# Altium PCB PCB2.PcbDoc (part 1 of 2) (continued)
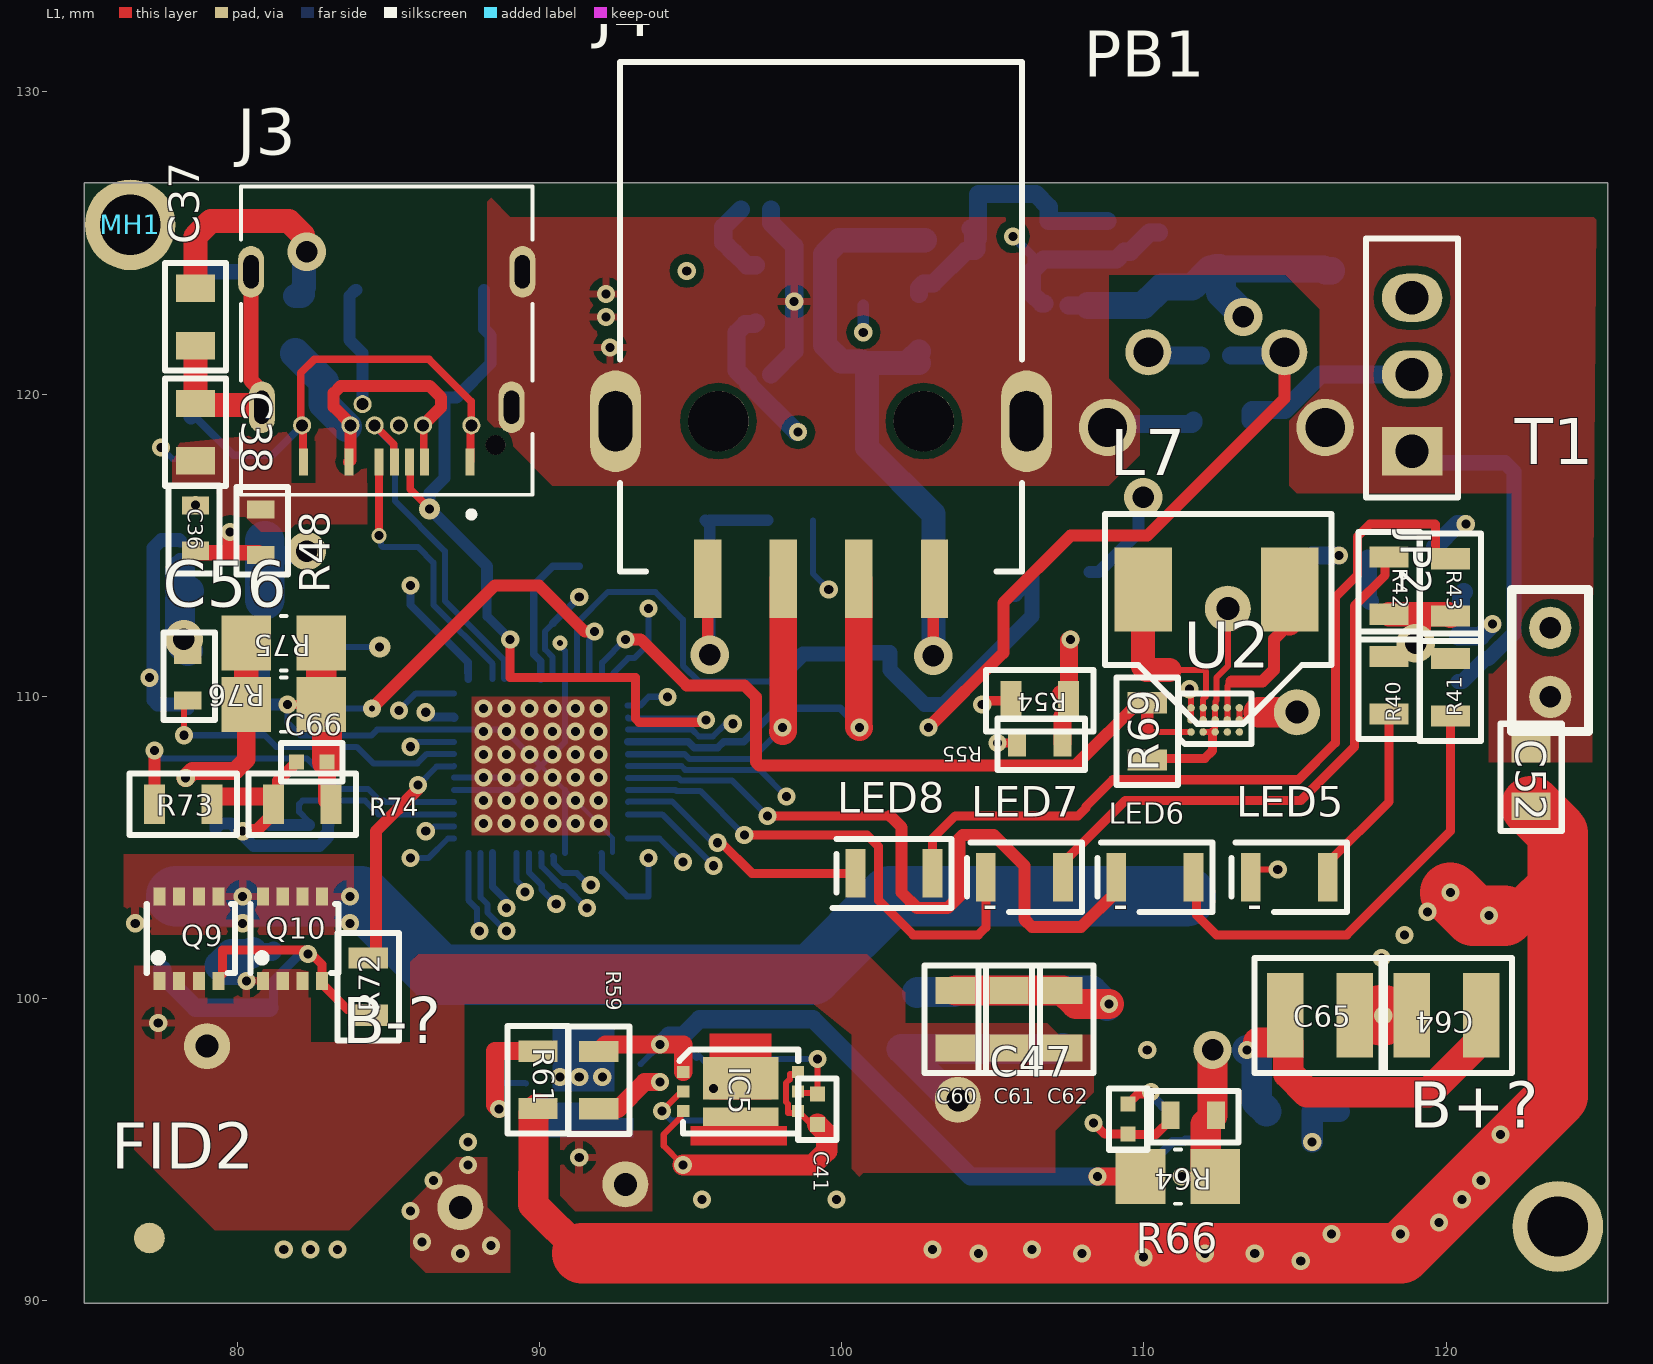
[diagram p0: L1 view]
## Part data (continued)
R39 R44 R71 R74: library part RC0805FR-07100KL, "RES SMD 100K OHM 1% 1/8W 0805", Case/Package=0805, Case Code (Metric)=2012, Manufacturer 1=Yageo, Max Operating Temperature=155°C, Max Power Dissipation=125mW, Min Operating Temperature=-55°C, Package Quantity=1, Resistance=100kR, Supplier Part Number 1=311-100KCRCT-ND, Temperature Coefficient=100ppm/°C, Tolerance=1%, Voltage Rating=150V, Case Code (Imperial)=0805, ComponentLink1Description=https://datasheet.ciiva.com/11808/0900766b8106beab-11808858.pdf?src-supplier=RSComponents, ComponentLink1URL=https://datasheet.ciiva.com/11808/0900766b8106beab-11808858.pdf?src-supplier=RSComponents, ComponentLink2Description=https://datasheet.ciiva.com/2457/pyu-r-int-thick-7-2457017.pdf?src-supplier=Digi-Key, ComponentLink2URL=https://datasheet.ciiva.com/2457/pyu-r-int-thick-7-2457017.pdf?src-supplier=Digi-Key, ComponentLink3Description=https://datasheet.ciiva.com/12667/rc0805-12667001.pdf?src-supplier=Mouser, ComponentLink3URL=https://datasheet.ciiva.com/12667/rc0805-12667001.pdf?src-supplier=Mouser, ComponentLink4Description=https://datasheet.ciiva.com/2457/pyu-r-int-thick-7-2457018.pdf?src-supplier=Digi-Key, ComponentLink4URL=https://datasheet.ciiva.com/2457/pyu-r-int-thick-7-2457018.pdf?src-supplier=Digi-Key, ComponentLink5Description=https://datasheet.ciiva.com/16747/rc0805-16747226.pdf?src-supplier=Future+Electronics, ComponentLink5URL=https://datasheet.ciiva.com/16747/rc0805-16747226.pdf?src-supplier=Future+Electronics, ComponentLink6Description=https://datasheet.ciiva.com/2457/pyu-r-int-thick-7-2457019.pdf?src-supplier=Digi-Key, ComponentLink6URL=https://datasheet.ciiva.com/2457/pyu-r-int-thick-7-2457019.pdf?src-supplier=Digi-Key, ComponentLink7Description=https://datasheet.ciiva.com/7660/38627-7660796.pdf?src-supplier=Element14, ComponentLink7URL=https://datasheet.ciiva.com/7660/38627-7660796.pdf?src-supplier=Element14, ComponentLink8Description=https://datasheet.ciiva.com/7941/1697719-7941676.pdf?src-supplier=Element14, ComponentLink8URL=https://datasheet.ciiva.com/7941/1697719-7941676.pdf?src-supplier=Element14, ComponentLink9Description=https://datasheet.ciiva.com/7941/1686128-7941677.pdf?src-supplier=Element14, ComponentLink9URL=https://datasheet.ciiva.com/7941/1686128-7941677.pdf?src-supplier=Element14, ComponentLink10Description=https://datasheet.ciiva.com/7941/1697719-7941678.pdf?src-supplier=Element14, ComponentLink10URL=https://datasheet.ciiva.com/7941/1697719-7941678.pdf?src-supplier=Element14, ComponentLink11Description=https://datasheet.ciiva.com/22747/444164-22747534.pdf?src-supplier=Element14, ComponentLink11URL=https://datasheet.ciiva.com/22747/444164-22747534.pdf?src-supplier=Element14, Composition="Thick Film", Depth=1.25mm, Features="Moisture Resistant", Height=0.024inch, Lead Free="Lead Free", Lead Pitch=0.4mm, Length=2mm, Manufacturer Part Number 1=RC0805FR-07100KL, Military Standard=Not, Number of Pins=2, Number of Terminations=2, Packaging="Tape and Reel", Power Rating=125mW, Pricing 1="1=0.10000, 10=0.04000, 100=0.01610, 1000=0.00723, 2500=0.00628 (USD)", REACH SVHC=Unknown, RoHS=Yes, Stock 1=7970099, Supplier 1=Digi-Key, Termination=SMD/SMT, Voltage Rating (DC)=150V, Width=0.049inch
R40 R41 R42 R43: library part RC0805JR-07330RL, "YAGEO   RC0805JR-07330RL   THICK FILM RESISTOR, 330 OHM, 125mW, 5%, FULL REEL", Case/Package=0805, Case Code (Metric)=2012, Manufacturer 1=Yageo, Max Operating Temperature=155°C, Min Operating Temperature=-55°C, Package Quantity=5000, Power Rating=125mW, Resistance=330R, Supplier Part Number 1=311-330ARCT-ND, Temperature Coefficient=100ppm/°C, Tolerance=5%, Voltage Rating=150V, Case Code (Imperial)=0805, ComponentLink1Description=https://datasheet.ciiva.com/17008/rc0805-17008395.pdf?src-supplier=Future+Electronics, ComponentLink1URL=https://datasheet.ciiva.com/17008/rc0805-17008395.pdf?src-supplier=Future+Electronics, ComponentLink2Description=https://datasheet.ciiva.com/46395/444164-46395119.pdf?src-supplier=Element14, ComponentLink2URL=https://datasheet.ciiva.com/46395/444164-46395119.pdf?src-supplier=Element14, ComponentLink3Description=https://datasheet.ciiva.com/7941/442941-7941941.pdf?src-supplier=Element14, ComponentLink3URL=https://datasheet.ciiva.com/7941/442941-7941941.pdf?src-supplier=Element14, ComponentLink4Description=https://datasheet.ciiva.com/7941/442941-7941942.pdf?src-supplier=Element14, ComponentLink4URL=https://datasheet.ciiva.com/7941/442941-7941942.pdf?src-supplier=Element14, ComponentLink5Description=https://datasheet.ciiva.com/12555/rc0805-257173-12555078.pdf?src-supplier=Mouser, ComponentLink5URL=https://datasheet.ciiva.com/12555/rc0805-257173-12555078.pdf?src-supplier=Mouser, Composition="Thick Film", Contact Plating=Tin,Matte,Lead, Depth=1.25mm, Height=0.5mm, Lead Free="Lead Free", Length=2mm, Manufacturer Part Number 1=RC0805JR-07330RL, Military Standard=Not, Packaging="Tape and Reel", Pricing 1="1=0.10000, 10=0.03300, 100=0.01350, 1000=0.00607, 2500=0.00527 (USD)", Radiation Hardening=No, REACH SVHC="No SVHC", RoHS=Yes, Stock 1=1367649, Supplier 1=Digi-Key, Termination=SMD/SMT, Width=1.25mm
R45 R46 R47 R69: library part CRCW080551K0JNEA, "RES, THICK FILM, 51K, 5%, 0.125W, 0805, REEL; Product Range:AEC-Q200 CRCW Series; Resistance:51kohm; Power Rating:125mW; Resistance Tolerance: 5%; Voltage Rating:150V; Resistor Case Style:0805 [2012 Metric]; Packaging:Tape & Reel ;RoHS Compliant: Yes", Case/Package=0805, Case Code (Metric)=2012, Manufacturer 1="Vishay Dale", Max Operating Temperature=155°C, Max Power Dissipation=125mW, Min Operating Temperature=-55°C, Package Quantity=1, Resistance=51kR, Supplier Part Number 1=541-51KACT-ND, Temperature Coefficient=200ppm/°C, Tolerance=5%, Voltage Rating=150V, Case Code (Imperial)=0805, ComponentLink1Description=https://datasheet.ciiva.com/9002/dcrcwe3-9002680.pdf?src-supplier=Avnet, ComponentLink1URL=https://datasheet.ciiva.com/9002/dcrcwe3-9002680.pdf?src-supplier=Avnet, ComponentLink2Description=https://datasheet.ciiva.com/2464/dcrcwe3-2464858.pdf?src-supplier=Digi-Key, ComponentLink2URL=https://datasheet.ciiva.com/2464/dcrcwe3-2464858.pdf?src-supplier=Digi-Key, ComponentLink3Description=https://datasheet.ciiva.com/2464/dcrcwe3-2464859.pdf?src-supplier=Digi-Key, ComponentLink3URL=https://datasheet.ciiva.com/2464/dcrcwe3-2464859.pdf?src-supplier=Digi-Key, ComponentLink4Description=https://datasheet.ciiva.com/2464/dcrcwe3-2464860.pdf?src-supplier=Digi-Key, ComponentLink4URL=https://datasheet.ciiva.com/2464/dcrcwe3-2464860.pdf?src-supplier=Digi-Key, Composition="Thick Film", Contact Plating=Tin, Depth=1.25mm, Features="Automotive AEC-Q200", Height=0.02inch, Lead Free="Lead Free", Length=2mm, Manufacturer Part Number 1=CRCW080551K0JNEA, Military Standard=Not, Number of Pins=2, Number of Terminations=2, Packaging="Tape and Reel", Power Rating=125mW, Pricing 1="1=0.10000, 10=0.03800, 100=0.01560, 1000=0.00702, 2500=0.00610 (USD)", Radiation Hardening=No, REACH SVHC=Unknown, RoHS=Yes, Stock 1=39035, Supplier 1=Digi-Key, Termination=SMD/SMT, Voltage Rating (DC)=150V, Weight=0.000194oz, Width=1.25mm, Working Voltage=150V
R48 R49 R55 R56 R57 R62 R66: library part ESR03EZPJ101, "ROHM - ESR03EZPJ101 - SMD Chip Resistor, Anti-Surge, 0603 [1608 Metric], 100 ohm, ESR Series, 150 V, Thick Film, 250 mW - SMD Chip Resistor, Anti-Surge, 0603 [1608 Metric], 100 ohm, ESR Series, 150 V, Thick Film, 250 mW", Case/Package=0603, Manufacturer 1=Rohm, Power Rating=200mW, Resistance=100R, Supplier Part Number 1=RHM100DCT-ND, Temperature Coefficient=200ppm/°C, Tolerance=5%, ComponentLink1Description=https://datasheet.ciiva.com/16218/esr-16218543.pdf?src-supplier=Future+Electronics, ComponentLink1URL=https://datasheet.ciiva.com/16218/esr-16218543.pdf?src-supplier=Future+Electronics, Lead Free="Lead Free", Manufacturer Part Number 1=ESR03EZPJ101, Pricing 1="1=0.10000, 10=0.07600, 100=0.02920, 1000=0.01283, 2500=0.01108 (USD)", RoHS=Yes, Stock 1=68293, Supplier 1=Digi-Key
R50 R60: library part ERJ-6GEYJ514V, "RES SMD 510K OHM 5% 1/8W 0805", Case/Package=0805, Case Code (Metric)=2012, Manufacturer 1=Panasonic, Max Operating Temperature=155°C, Max Power Dissipation=125mW, Min Operating Temperature=-55°C, Package Quantity=5000, Resistance=510kR, Supplier Part Number 1=P510KACT-ND, Temperature Coefficient=200ppm/°C, Tolerance=5%, Voltage Rating=150V, Case Code (Imperial)=0805, ComponentLink1Description=https://datasheet.ciiva.com/30081/4aoa0000ce1-30081333.pdf?src-supplier=Onlinecomponents.com, ComponentLink1URL=https://datasheet.ciiva.com/30081/4aoa0000ce1-30081333.pdf?src-supplier=Onlinecomponents.com, ComponentLink2Description=https://datasheet.ciiva.com/24163/aoa0000ce1-37422-24163640.pdf?src-supplier=Mouser, ComponentLink2URL=https://datasheet.ciiva.com/24163/aoa0000ce1-37422-24163640.pdf?src-supplier=Mouser, ComponentLink3Description=https://datasheet.ciiva.com/43469/1678796-43469657.pdf?src-supplier=Farnell, ComponentLink3URL=https://datasheet.ciiva.com/43469/1678796-43469657.pdf?src-supplier=Farnell, ComponentLink4Description=https://datasheet.ciiva.com/16767/70255313-16767419.pdf?src-supplier=Allied+Electronics, ComponentLink4URL=https://datasheet.ciiva.com/16767/70255313-16767419.pdf?src-supplier=Allied+Electronics, ComponentLink5Description=https://datasheet.ciiva.com/16771/70255313-16771371.pdf?src-supplier=Allied+Electronics, ComponentLink5URL=https://datasheet.ciiva.com/16771/70255313-16771371.pdf?src-supplier=Allied+Electronics, ComponentLink6Description=https://datasheet.ciiva.com/9181/aoa0000ce1-9181469.pdf?src-supplier=Avnet, ComponentLink6URL=https://datasheet.ciiva.com/9181/aoa0000ce1-9181469.pdf?src-supplier=Avnet, ComponentLink7Description=https://datasheet.ciiva.com/8081/aoa0000ce1-8081327.pdf?src-supplier=Element14, ComponentLink7URL=https://datasheet.ciiva.com/8081/aoa0000ce1-8081327.pdf?src-supplier=Element14, Composition="Thick Film", Contact Plating=Tin, Depth=1.25mm, Height=0.6mm, Lead Free="Contains Lead", Length=2mm, Manufacturer Part Number 1=ERJ-6GEYJ514V, Military Standard=Not, Mount="Surface Mount", Number of Terminations=2, Packaging="Tape and Reel", Power Rating=125mW, Pricing 1="1=0.10000, 10=0.05200, 100=0.02120, 1000=0.00954, 2500=0.00828 (USD)", REACH SVHC="No SVHC", RoHS=Yes, Stock 1=14917, Supplier 1=Digi-Key, Termination=SMD/SMT, Voltage Rating (DC)=150V, Weight=0.000194oz, Width=0.049inch
R51 R59: library part RC0805FR-071KL, "RES SMD 1K OHM 1% 1/8W 0805", Case/Package=0805, Case Code (Metric)=2012, Manufacturer 1=Yageo, Max Operating Temperature=155°C, Max Power Dissipation=125mW, Min Operating Temperature=-55°C, Package Quantity=1, Resistance=1kR, Supplier Part Number 1=311-1.00KCRCT-ND, Temperature Coefficient=100ppm/°C, Tolerance=1%, Voltage Rating=150V, Case Code (Imperial)=0805, ComponentLink1Description=https://datasheet.ciiva.com/2456/pyu-r-int-thick-7-2456976.pdf?src-supplier=Digi-Key, ComponentLink1URL=https://datasheet.ciiva.com/2456/pyu-r-int-thick-7-2456976.pdf?src-supplier=Digi-Key, ComponentLink2Description=https://datasheet.ciiva.com/2456/pyu-r-int-thick-7-2456977.pdf?src-supplier=Digi-Key, ComponentLink2URL=https://datasheet.ciiva.com/2456/pyu-r-int-thick-7-2456977.pdf?src-supplier=Digi-Key, ComponentLink3Description=https://datasheet.ciiva.com/7941/1686128-7941719.pdf?src-supplier=Element14, ComponentLink3URL=https://datasheet.ciiva.com/7941/1686128-7941719.pdf?src-supplier=Element14, ComponentLink4Description=https://datasheet.ciiva.com/16850/rc0805-16850409.pdf?src-supplier=Future+Electronics, ComponentLink4URL=https://datasheet.ciiva.com/16850/rc0805-16850409.pdf?src-supplier=Future+Electronics, ComponentLink5Description=https://datasheet.ciiva.com/46385/444164-46385020.pdf?src-supplier=Element14, ComponentLink5URL=https://datasheet.ciiva.com/46385/444164-46385020.pdf?src-supplier=Element14, ComponentLink6Description=https://datasheet.ciiva.com/2456/pyu-r-int-thick-7-2456975.pdf?src-supplier=Digi-Key, ComponentLink6URL=https://datasheet.ciiva.com/2456/pyu-r-int-thick-7-2456975.pdf?src-supplier=Digi-Key, Composition="Thick Film", Depth=1.25mm, Features="Moisture Resistant", Height=0.024inch, Lead Free="Lead Free", Length=0.079inch, Manufacturer Part Number 1=RC0805FR-071KL, Military Standard=Not, Number of Pins=2, Number of Terminations=2, Packaging="Tape and Reel", Power Rating=125mW, Pricing 1="1=0.10000, 10=0.04200, 100=0.01700, 1000=0.00762, 2500=0.00662 (USD)", REACH SVHC=Unknown, RoHS=Yes, Stock 1=26611077, Supplier 1=Digi-Key, Termination=SMD/SMT, Voltage Rating (DC)=150V, Width=0.049inch
R52 R58: library part ERJ8CWFR020V, "PANASONIC - ERJ8CWFR020V - SMD Current Sense Resistors, AEC-Q200 ERJ Series, 0.02 ohm, 1 W, - 1% RoHS Compliant: Yes", Case/Package=1206, Case Code (Metric)=3216, Manufacturer 1=Panasonic, Max Operating Temperature=155°C, Max Power Dissipation=1W, Min Operating Temperature=-55°C, Resistance=20mR, Supplier Part Number 1=P0.02BVCT-ND, Temperature Coefficient=75ppm/°C, Tolerance=1%, Case Code (Imperial)=1206, ComponentLink1Description=https://datasheet.ciiva.com/25608/0900766b81107548-25608662.pdf?src-supplier=RSComponents, ComponentLink1URL=https://datasheet.ciiva.com/25608/0900766b81107548-25608662.pdf?src-supplier=RSComponents, ComponentLink2Description=https://datasheet.ciiva.com/7942/1790602-7942325.pdf?src-supplier=Element14, ComponentLink2URL=https://datasheet.ciiva.com/7942/1790602-7942325.pdf?src-supplier=Element14, ComponentLink3Description=https://datasheet.ciiva.com/48532/erj8cw-eng-tds-48532710.pdf?src-supplier=Distrelec, ComponentLink3URL=https://datasheet.ciiva.com/48532/erj8cw-eng-tds-48532710.pdf?src-supplier=Distrelec, ComponentLink4Description=https://datasheet.ciiva.com/6028/1790602-6028444.pdf?src-supplier=Farnell, ComponentLink4URL=https://datasheet.ciiva.com/6028/1790602-6028444.pdf?src-supplier=Farnell, Composition="Thick Film", Depth=1.6mm, Features="Automotive AEC-Q200", Height=0.03inch, Lead Free="Lead Free", Length=0.126inch, Manufacturer Part Number 1=ERJ8CWFR020V, Mount="Surface Mount", Number of Terminations=2, Packaging="Cut Tape", Power Rating=1W, Pricing 1="1=0.59000, 10=0.45200, 100=0.19000, 1000=0.10482, 2500=0.09826 (USD)", REACH SVHC="No SVHC", RoHS=Yes, Stock 1=13226, Supplier 1=Digi-Key, Termination=Flat, Width=0.063inch
R53 R61: library part "680Ohm 1/8 watt", "PANASONIC ELECTRONIC COMPONENTS         ERJ6ENF6800V            Surface Mount Chip Resistor, Thick Film, AEC-Q200 ERJ6E Series, 680 ohm, 125 mW,  1%, 150 V", Case/Package=0805, Case Code (Metric)=2012, Manufacturer 1=Panasonic, Manufacturer Part Number 1=ERJ6ENF6800V, Max Operating Temperature=155°C, Max Power Dissipation=125mW, Min Operating Temperature=-55°C, Package Quantity=1, Resistance=680R, Supplier Part Number 1=P680CCT-ND, Temperature Coefficient=100ppm/°C, Tolerance=1%, Voltage Rating=150V, Case Code (Imperial)=0805, ComponentLink1Description=https://datasheet.ciiva.com/11821/0900766b80f80784-11821688.pdf?src-supplier=RSComponents, ComponentLink1URL=https://datasheet.ciiva.com/11821/0900766b80f80784-11821688.pdf?src-supplier=RSComponents, ComponentLink2Description=https://datasheet.ciiva.com/7944/426256-7944661.pdf?src-supplier=Element14, ComponentLink2URL=https://datasheet.ciiva.com/7944/426256-7944661.pdf?src-supplier=Element14, ComponentLink3Description=https://datasheet.ciiva.com/16787/70260748-16787589.pdf?src-supplier=Allied+Electronics, ComponentLink3URL=https://datasheet.ciiva.com/16787/70260748-16787589.pdf?src-supplier=Allied+Electronics, ComponentLink4Description=https://datasheet.ciiva.com/17205/aoa0000ce2-17205287.pdf?src-supplier=Avnet+Europe, ComponentLink4URL=https://datasheet.ciiva.com/17205/aoa0000ce2-17205287.pdf?src-supplier=Avnet+Europe, ComponentLink5Description=https://datasheet.ciiva.com/7944/426256-7944953.pdf?src-supplier=Element14, ComponentLink5URL=https://datasheet.ciiva.com/7944/426256-7944953.pdf?src-supplier=Element14, ComponentLink6Description=https://datasheet.ciiva.com/5860/426256-5860698.pdf?src-supplier=Farnell, ComponentLink6URL=https://datasheet.ciiva.com/5860/426256-5860698.pdf?src-supplier=Farnell, ComponentLink7Description=https://datasheet.ciiva.com/16512/aoa0000ce2-16512058.pdf?src-supplier=Avnet+Asia, ComponentLink7URL=https://datasheet.ciiva.com/16512/aoa0000ce2-16512058.pdf?src-supplier=Avnet+Asia, ComponentLink8Description=https://datasheet.ciiva.com/9180/aoa0000ce2-9180429.pdf?src-supplier=Avnet, ComponentLink8URL=https://datasheet.ciiva.com/9180/aoa0000ce2-9180429.pdf?src-supplier=Avnet, ComponentLink9Description=https://datasheet.ciiva.com/16757/70260748-16757933.pdf?src-supplier=Allied+Electronics, ComponentLink9URL=https://datasheet.ciiva.com/16757/70260748-16757933.pdf?src-supplier=Allied+Electronics, ComponentLink10Description=https://datasheet.ciiva.com/30107/aoa0000ce2-30107005.pdf?src-supplier=Onlinecomponents.com, ComponentLink10URL=https://datasheet.ciiva.com/30107/aoa0000ce2-30107005.pdf?src-supplier=Onlinecomponents.com, ComponentLink11Description=https://datasheet.ciiva.com/46373/1678782-46373886.pdf?src-supplier=Element14, ComponentLink11URL=https://datasheet.ciiva.com/46373/1678782-46373886.pdf?src-supplier=Element14, ComponentLink12Description=https://datasheet.ciiva.com/46373/1678782-46373887.pdf?src-supplier=Element14, ComponentLink12URL=https://datasheet.ciiva.com/46373/1678782-46373887.pdf?src-supplier=Element14, Composition="Thick Film", Contact Plating=Tin, Depth=1.25mm, Features="Automotive AEC-Q200", Height=0.6mm, Length=2mm, Military Standard=Not, Mount="Surface Mount", Number of Pins=2, Number of Terminations=2, Packaging="Tape and Reel", Power Rating=125mW, Pricing 1="1=0.10000, 10=0.07200, 100=0.02750, 1000=0.01210, 2500=0.01045 (USD)", Radiation Hardening=No, REACH SVHC="No SVHC", RoHS=Yes, Stock 1=52236, Supplier 1=Digi-Key, Termination=SMD/SMT, Width=0.049inch
R54: library part RC0805FR-0710KL, "RES SMD 10K OHM 1% 1/8W 0805", Case/Package=0805, Case Code (Metric)=2012, Manufacturer 1=Yageo, Max Operating Temperature=155°C, Max Power Dissipation=125mW, Min Operating Temperature=-55°C, Package Quantity=1, Resistance=10kR, Supplier Part Number 1=311-10.0KCRCT-ND, Temperature Coefficient=100ppm/°C, Tolerance=1%, Voltage Rating=150V, Case Code (Imperial)=0805, ComponentLink1Description=https://datasheet.ciiva.com/11808/0900766b8106beab-11808151.pdf?src-supplier=RSComponents, ComponentLink1URL=https://datasheet.ciiva.com/11808/0900766b8106beab-11808151.pdf?src-supplier=RSComponents, ComponentLink2Description=https://datasheet.ciiva.com/12669/rc0805-12669688.pdf?src-supplier=Mouser, ComponentLink2URL=https://datasheet.ciiva.com/12669/rc0805-12669688.pdf?src-supplier=Mouser, ComponentLink3Description=https://datasheet.ciiva.com/46447/444164-46447563.pdf?src-supplier=Element14, ComponentLink3URL=https://datasheet.ciiva.com/46447/444164-46447563.pdf?src-supplier=Element14, ComponentLink4Description=https://datasheet.ciiva.com/2456/pyu-r-int-thick-7-2456972.pdf?src-supplier=Digi-Key, ComponentLink4URL=https://datasheet.ciiva.com/2456/pyu-r-int-thick-7-2456972.pdf?src-supplier=Digi-Key, ComponentLink5Description=https://datasheet.ciiva.com/2456/pyu-r-int-thick-7-2456973.pdf?src-supplier=Digi-Key, ComponentLink5URL=https://datasheet.ciiva.com/2456/pyu-r-int-thick-7-2456973.pdf?src-supplier=Digi-Key, ComponentLink6Description=https://datasheet.ciiva.com/2456/pyu-r-int-thick-7-2456974.pdf?src-supplier=Digi-Key, ComponentLink6URL=https://datasheet.ciiva.com/2456/pyu-r-int-thick-7-2456974.pdf?src-supplier=Digi-Key, ComponentLink7Description=https://datasheet.ciiva.com/16747/rc0805-16747087.pdf?src-supplier=Future+Electronics, ComponentLink7URL=https://datasheet.ciiva.com/16747/rc0805-16747087.pdf?src-supplier=Future+Electronics, Composition="Thick Film", Depth=1.25mm, Features="Moisture Resistant", Height=0.024inch, Lead Free="Lead Free", Length=2mm, Manufacturer Part Number 1=RC0805FR-0710KL, Military Standard=Not, Number of Terminations=2, Packaging="Tape and Reel", Power Rating=125mW, Pricing 1="1=0.10000, 10=0.04200, 100=0.01700, 1000=0.00762, 2500=0.00662 (USD)", REACH SVHC=Unknown, RoHS=Yes, Stock 1=38785407, Supplier 1=Digi-Key, Termination=SMD/SMT, Width=0.049inch
R63 R64 R75 R76: library part ERJ-8BWFR010V, "PANASONIC - ERJ-8BWFR010V - SMD Current Sense Resistor, 0.01 ohm, ERJ8B Series, 1206 [3216 Metric], 1 W, ± 1%, Thick Film", Case/Package=1206, Case Code (Metric)=3216, Manufacturer 1=Panasonic, Max Operating Temperature=155°C, Max Power Dissipation=1W, Min Operating Temperature=-55°C, Package Quantity=1, Resistance=10mR, Supplier Part Number 1=P.010AUCT-ND, Temperature Coefficient=200ppm/°C, Tolerance=1%, Case Code (Imperial)=1206, ComponentLink1Description=https://datasheet.ciiva.com/11811/0900766b8126441d-11811746.pdf?src-supplier=RSComponents, ComponentLink1URL=https://datasheet.ciiva.com/11811/0900766b8126441d-11811746.pdf?src-supplier=RSComponents, ComponentLink2Description=https://datasheet.ciiva.com/9194/aoa0000ce3-9194119.pdf?src-supplier=Avnet, ComponentLink2URL=https://datasheet.ciiva.com/9194/aoa0000ce3-9194119.pdf?src-supplier=Avnet, ComponentLink3Description=https://datasheet.ciiva.com/30095/6aoa0000ce3-30095514.pdf?src-supplier=Onlinecomponents.com, ComponentLink3URL=https://datasheet.ciiva.com/30095/6aoa0000ce3-30095514.pdf?src-supplier=Onlinecomponents.com, ComponentLink4Description=https://datasheet.ciiva.com/48532/erj-eng-tds-48532746.pdf?src-supplier=Distrelec, ComponentLink4URL=https://datasheet.ciiva.com/48532/erj-eng-tds-48532746.pdf?src-supplier=Distrelec, ComponentLink5Description=https://datasheet.ciiva.com/2451/aoa0000ce3-2451517.pdf?src-supplier=Digi-Key, ComponentLink5URL=https://datasheet.ciiva.com/2451/aoa0000ce3-2451517.pdf?src-supplier=Digi-Key, ComponentLink6Description=https://datasheet.ciiva.com/2451/aoa0000ce3-2451518.pdf?src-supplier=Digi-Key, ComponentLink6URL=https://datasheet.ciiva.com/2451/aoa0000ce3-2451518.pdf?src-supplier=Digi-Key, ComponentLink7Description=https://datasheet.ciiva.com/17212/aoa0000ce3-17212030.pdf?src-supplier=Avnet+Europe, ComponentLink7URL=https://datasheet.ciiva.com/17212/aoa0000ce3-17212030.pdf?src-supplier=Avnet+Europe, ComponentLink8Description=https://datasheet.ciiva.com/2451/aoa0000ce3-2451519.pdf?src-supplier=Digi-Key, ComponentLink8URL=https://datasheet.ciiva.com/2451/aoa0000ce3-2451519.pdf?src-supplier=Digi-Key, ComponentLink9Description=https://datasheet.ciiva.com/28532/39793-28532991.pdf?src-supplier=Element14, ComponentLink9URL=https://datasheet.ciiva.com/28532/39793-28532991.pdf?src-supplier=Element14, Composition="Thick Film,Low-Ohm-Resistor", Contact Plating=Tin, Depth=1.6mm, Features="Automotive AEC-Q200", Height=0.65mm, Lead Free="Lead Free", Length=3.2mm, Manufacturer Part Number 1=ERJ-8BWFR010V, Military Standard=Not, Mount="Surface Mount", Number of Terminations=2, Packaging="Tape and Reel", Power Rating=1W, Pricing 1="1=0.60000, 10=0.50000, 100=0.33550, 1000=0.19632, 2500=0.19418 (USD)", Radiation Hardening=No, REACH SVHC="No SVHC", RoHS=Yes, Stock 1=16754, Supplier 1=Digi-Key, Termination=SMD/SMT, Width=1.6mm
R65: library part ERJ-6ENF9101V, "Res Thick Film 0805 9.1K Ohm 1% 1/8W +/-100ppm/ßC Molded SMD Punched Carrier T/R", Case/Package=0805, Case Code (Metric)=2012, Manufacturer 1=Panasonic, Max Operating Temperature=155°C, Max Power Dissipation=125mW, Min Operating Temperature=-55°C, Package Quantity=1, Resistance=9.1kR, Supplier Part Number 1=P9.10KCCT-ND, Temperature Coefficient=100ppm/°C, Tolerance=1%, Voltage Rating=150V, Case Code (Imperial)=0805, ComponentLink1Description=https://datasheet.ciiva.com/11821/0900766b80f80784-11821718.pdf?src-supplier=RSComponents, ComponentLink1URL=https://datasheet.ciiva.com/11821/0900766b80f80784-11821718.pdf?src-supplier=RSComponents, ComponentLink2Description=https://datasheet.ciiva.com/16437/aoa0000ce2-16437783.pdf?src-supplier=Future+Electronics, ComponentLink2URL=https://datasheet.ciiva.com/16437/aoa0000ce2-16437783.pdf?src-supplier=Future+Electronics, ComponentLink3Description=https://datasheet.ciiva.com/30163/aoa0000ce2-30163272.pdf?src-supplier=Onlinecomponents.com, ComponentLink3URL=https://datasheet.ciiva.com/30163/aoa0000ce2-30163272.pdf?src-supplier=Onlinecomponents.com, ComponentLink4Description=https://datasheet.ciiva.com/16766/70260748-16766713.pdf?src-supplier=Allied+Electronics, ComponentLink4URL=https://datasheet.ciiva.com/16766/70260748-16766713.pdf?src-supplier=Allied+Electronics, ComponentLink5Description=https://datasheet.ciiva.com/16785/70260748-16785210.pdf?src-supplier=Allied+Electronics, ComponentLink5URL=https://datasheet.ciiva.com/16785/70260748-16785210.pdf?src-supplier=Allied+Electronics, ComponentLink6Description=https://datasheet.ciiva.com/17212/aoa0000ce2-17212221.pdf?src-supplier=Avnet+Europe, ComponentLink6URL=https://datasheet.ciiva.com/17212/aoa0000ce2-17212221.pdf?src-supplier=Avnet+Europe, Composition="Thick Film", Contact Plating=Tin, Depth=1.25mm, Features="Automotive AEC-Q200", Height=0.6mm, Lead Free="Lead Free", Length=2mm, Manufacturer Part Number 1=ERJ-6ENF9101V, Military Standard=Not, Mount="Surface Mount", Number of Terminations=2, Packaging="Tape and Reel", Power Rating=125mW, Pricing 1="1=0.10000, 10=0.07200, 100=0.02750, 1000=0.01210, 2500=0.01045 (USD)", Radiation Hardening=No, REACH SVHC="No SVHC", RoHS=Yes, Stock 1=3180, Supplier 1=Digi-Key, Termination=SMD/SMT, Voltage Rating (DC)=150V, Width=1.2mm
R67: library part ERJ-6ENF1803V, "Thick Film Resistors - SMD 0805 180Kohms 1% AEC-Q200", Case/Package=0805, Case Code (Metric)=2012, Manufacturer 1=Panasonic, Max Operating Temperature=155°C, Max Power Dissipation=125mW, Min Operating Temperature=-55°C, Package Quantity=1, Resistance=180kR, Supplier Part Number 1=P180KCCT-ND, Temperature Coefficient=100ppm/°C, Tolerance=1%, Voltage Rating=150V, Case Code (Imperial)=0805, ComponentLink1Description=https://datasheet.ciiva.com/11821/0900766b80f80784-11821551.pdf?src-supplier=RSComponents, ComponentLink1URL=https://datasheet.ciiva.com/11821/0900766b80f80784-11821551.pdf?src-supplier=RSComponents, ComponentLink2Description=https://datasheet.ciiva.com/16758/70260748-16758997.pdf?src-supplier=Allied+Electronics, ComponentLink2URL=https://datasheet.ciiva.com/16758/70260748-16758997.pdf?src-supplier=Allied+Electronics, ComponentLink3Description=https://datasheet.ciiva.com/7836/426256-7836822.pdf?src-supplier=Element14, ComponentLink3URL=https://datasheet.ciiva.com/7836/426256-7836822.pdf?src-supplier=Element14, ComponentLink4Description=https://datasheet.ciiva.com/7836/426256-7836535.pdf?src-supplier=Element14, ComponentLink4URL=https://datasheet.ciiva.com/7836/426256-7836535.pdf?src-supplier=Element14, ComponentLink5Description=https://datasheet.ciiva.com/9185/aoa0000ce2-9185015.pdf?src-supplier=Avnet, ComponentLink5URL=https://datasheet.ciiva.com/9185/aoa0000ce2-9185015.pdf?src-supplier=Avnet, ComponentLink6Description=https://datasheet.ciiva.com/46398/1678782-46398137.pdf?src-supplier=Element14, ComponentLink6URL=https://datasheet.ciiva.com/46398/1678782-46398137.pdf?src-supplier=Element14, ComponentLink7Description=https://datasheet.ciiva.com/5915/426256-5915338.pdf?src-supplier=Farnell, ComponentLink7URL=https://datasheet.ciiva.com/5915/426256-5915338.pdf?src-supplier=Farnell, ComponentLink8Description=https://datasheet.ciiva.com/17207/aoa0000ce2-17207210.pdf?src-supplier=Avnet+Europe, ComponentLink8URL=https://datasheet.ciiva.com/17207/aoa0000ce2-17207210.pdf?src-supplier=Avnet+Europe, ComponentLink9Description=https://datasheet.ciiva.com/28568/1678782-28568746.pdf?src-supplier=Element14, ComponentLink9URL=https://datasheet.ciiva.com/28568/1678782-28568746.pdf?src-supplier=Element14, ComponentLink10Description=https://datasheet.ciiva.com/46398/1678782-46398138.pdf?src-supplier=Element14, ComponentLink10URL=https://datasheet.ciiva.com/46398/1678782-46398138.pdf?src-supplier=Element14, ComponentLink11Description=https://datasheet.ciiva.com/22681/1678782-22681691.pdf?src-supplier=Element14, ComponentLink11URL=https://datasheet.ciiva.com/22681/1678782-22681691.pdf?src-supplier=Element14, ComponentLink12Description=https://datasheet.ciiva.com/16780/70260748-16780877.pdf?src-supplier=Allied+Electronics, ComponentLink12URL=https://datasheet.ciiva.com/16780/70260748-16780877.pdf?src-supplier=Allied+Electronics, ComponentLink13Description=https://datasheet.ciiva.com/30187/aoa0000ce2-30187757.pdf?src-supplier=Onlinecomponents.com, ComponentLink13URL=https://datasheet.ciiva.com/30187/aoa0000ce2-30187757.pdf?src-supplier=Onlinecomponents.com, ComponentLink14Description=https://datasheet.ciiva.com/24024/aoa0000ce2-24024447.pdf?src-supplier=Mouser, ComponentLink14URL=https://datasheet.ciiva.com/24024/aoa0000ce2-24024447.pdf?src-supplier=Mouser, Composition="Thick Film", Contact Plating=Tin, Depth=1.25mm, Features="Automotive AEC-Q200", Height=0.6mm, Length=2mm, Manufacturer Part Number 1=ERJ-6ENF1803V, Military Standard=Not, Mount="Surface Mount", Number of Pins=2, Number of Terminations=2, Packaging="Tape and Reel", Power Rating=125mW, Pricing 1="1=0.10000, 10=0.08500, 100=0.03290, 1000=0.01445, 2500=0.01248 (USD)", Radiation Hardening=No, REACH SVHC="No SVHC", RoHS=Yes, Stock 1=39178, Supplier 1=Digi-Key, Termination=SMD/SMT, Voltage Rating (DC)=150V, Width=0.049inch
R68: library part RC0805FR-072K2L, "RESISTOR, THICK FILM, 2.2KOHM, 125mW, 1%, FULL REEL", Case/Package=0805, Case Code (Metric)=2012, Manufacturer 1=Yageo, Max Operating Temperature=155°C, Max Power Dissipation=125mW, Min Operating Temperature=-55°C, Package Quantity=1, Resistance=2.2kR, Supplier Part Number 1=311-2.20KCRCT-ND, Temperature Coefficient=100ppm/°C, Tolerance=1%, Voltage Rating=150V, Case Code (Imperial)=0805, ComponentLink1Description=https://datasheet.ciiva.com/7660/38627-7660800.pdf?src-supplier=Element14, ComponentLink1URL=https://datasheet.ciiva.com/7660/38627-7660800.pdf?src-supplier=Element14, ComponentLink2Description=https://datasheet.ciiva.com/11808/0900766b8106beab-11808373.pdf?src-supplier=RSComponents, ComponentLink2URL=https://datasheet.ciiva.com/11808/0900766b8106beab-11808373.pdf?src-supplier=RSComponents, ComponentLink3Description=https://datasheet.ciiva.com/46447/444164-46447575.pdf?src-supplier=Element14, ComponentLink3URL=https://datasheet.ciiva.com/46447/444164-46447575.pdf?src-supplier=Element14, ComponentLink4Description=https://datasheet.ciiva.com/2457/pyu-r-int-thick-7-2457002.pdf?src-supplier=Digi-Key, ComponentLink4URL=https://datasheet.ciiva.com/2457/pyu-r-int-thick-7-2457002.pdf?src-supplier=Digi-Key, ComponentLink5Description=https://datasheet.ciiva.com/7941/444164-7941754.pdf?src-supplier=Element14, ComponentLink5URL=https://datasheet.ciiva.com/7941/444164-7941754.pdf?src-supplier=Element14, ComponentLink6Description=https://datasheet.ciiva.com/2457/pyu-r-int-thick-7-2457003.pdf?src-supplier=Digi-Key, ComponentLink6URL=https://datasheet.ciiva.com/2457/pyu-r-int-thick-7-2457003.pdf?src-supplier=Digi-Key, ComponentLink7Description=https://datasheet.ciiva.com/7941/444164-7941755.pdf?src-supplier=Element14, ComponentLink7URL=https://datasheet.ciiva.com/7941/444164-7941755.pdf?src-supplier=Element14, ComponentLink8Description=https://datasheet.ciiva.com/2457/pyu-r-int-thick-7-2457004.pdf?src-supplier=Digi-Key, ComponentLink8URL=https://datasheet.ciiva.com/2457/pyu-r-int-thick-7-2457004.pdf?src-supplier=Digi-Key, ComponentLink9Description=https://datasheet.ciiva.com/46412/444164-46412862.pdf?src-supplier=Element14, ComponentLink9URL=https://datasheet.ciiva.com/46412/444164-46412862.pdf?src-supplier=Element14, Composition="Thick Film", Depth=1.25mm, Features="Moisture Resistant", Height=0.5mm, Lead Free="Lead Free", Lead Pitch=0.4mm, Length=2mm, Manufacturer Part Number 1=RC0805FR-072K2L, Military Standard=Not, Number of Pins=2, Number of Terminations=2, Packaging="Tape and Reel", Power Rating=125mW, Pricing 1="1=0.10000, 10=0.03900, 100=0.01570, 1000=0.00705, 2500=0.00612 (USD)", REACH SVHC=Unknown, RoHS=Yes, Stock 1=3046359, Supplier 1=Digi-Key, Termination=SMD/SMT, Voltage Rating (DC)=150V, Width=1.25mm